# Altium PCB board.PcbDoc (continued)
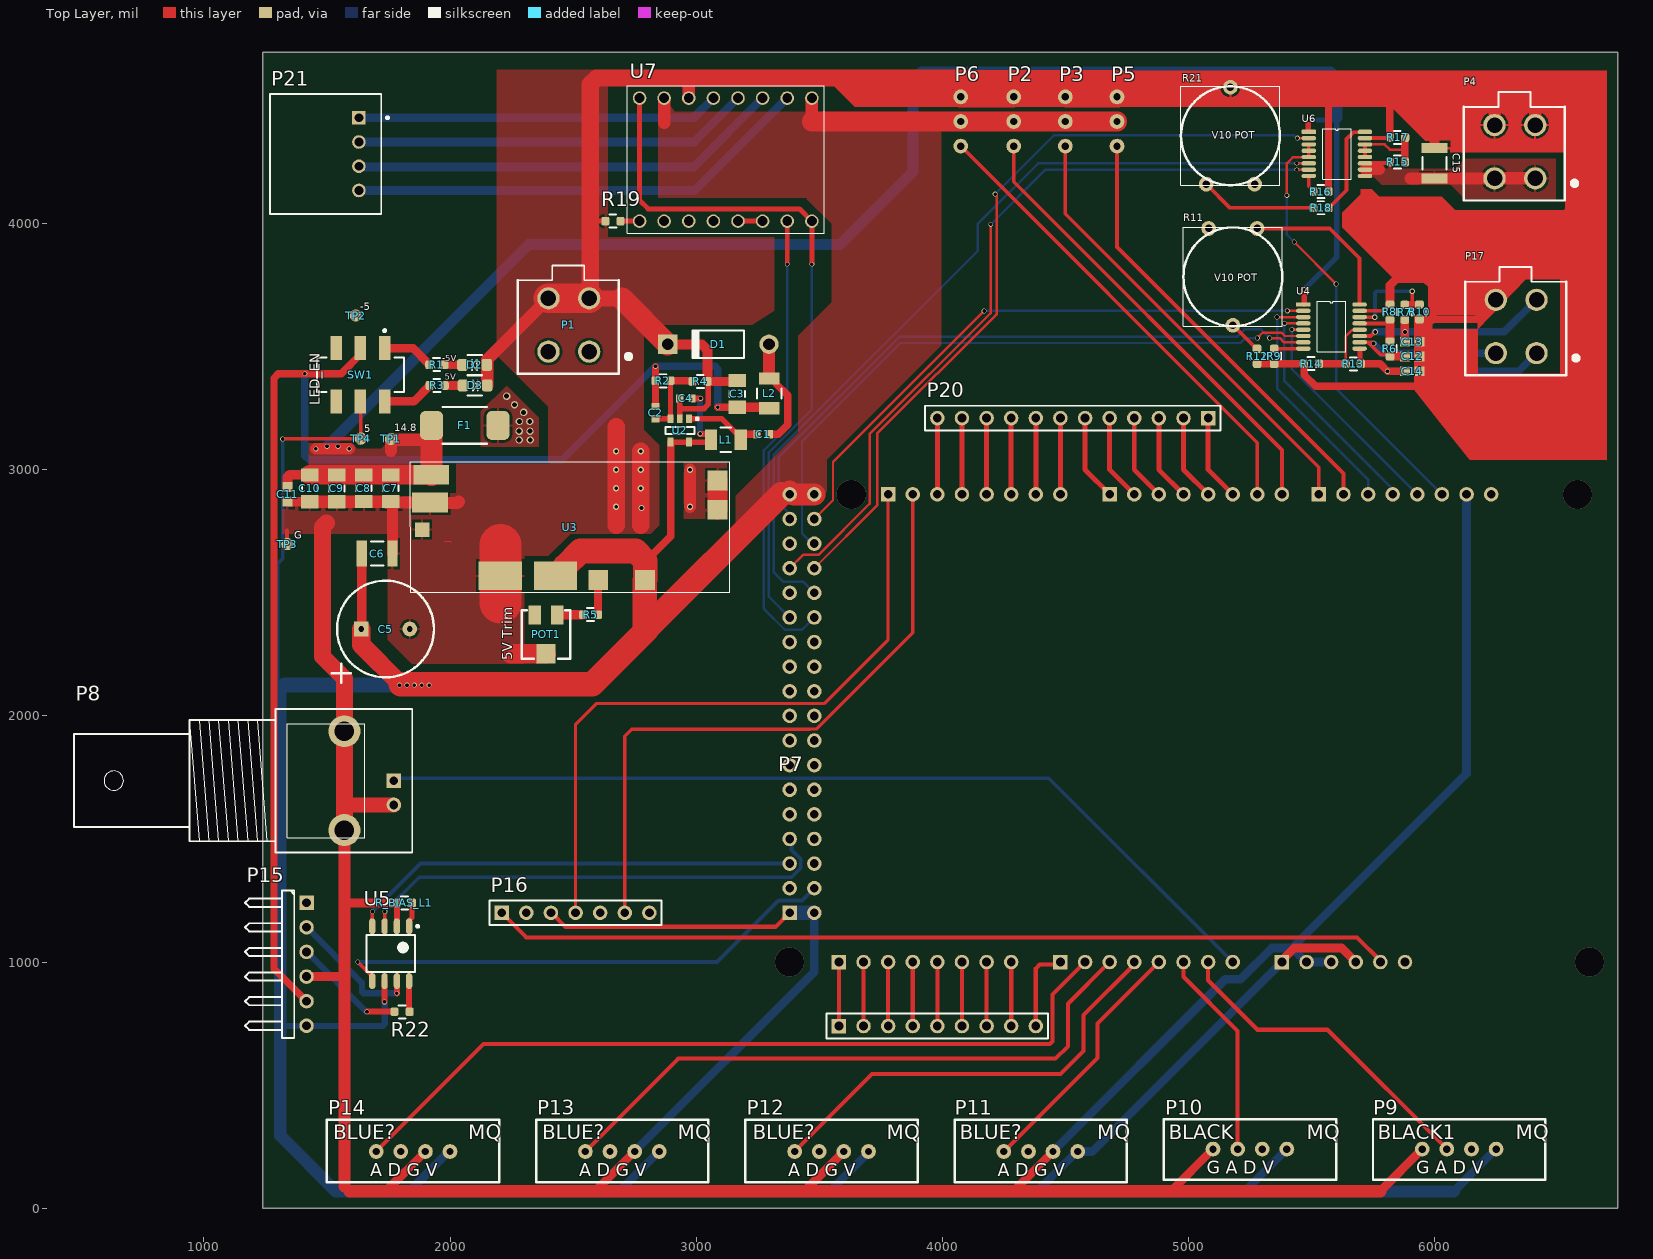
[diagram p0: Top Layer view]
## Part data
C1 C2 C4: library part CMP-2006-02523-1, Manufacturer=Murata, Part Number=GRM188R61E475KE11D
C3 C7 C8 C9 C10: library part GRT31CR61H106ME01L, "CAP CER 10UF 50V X5R 1206", Capacitance=10uF, Case Code (Imperial)=1206, Case Code (Metric)=3216, Manufacturer 1=Murata, Max Operating Temperature=85°C, Min Operating Temperature=-55°C, Ratings=AEC-Q200, Supplier Part Number 1=490-12457-1-ND, Tolerance=20%, Voltage Rating=50V, Case/Package=1206, Category=Capacitor, ComponentLink1Description=http://search.murata.co.jp/Ceramy/image/img/A01X/G101/ENG/GRT31CR61H106ME01-01.pdf?src-supplier=Digi-Key, ComponentLink1URL=http://search.murata.co.jp/Ceramy/image/img/A01X/G101/ENG/GRT31CR61H106ME01-01.pdf?src-supplier=Digi-Key, Length=0.126inch, Manufacturer Part Number 1=GRT31CR61H106ME01L, Mount="Surface Mount", Packaging="Tape and Reel", Pricing 1="1=0,50000, 10=0,34900, 100=0,20920, 500=0,15690, 1000=0,13249 (USD)", RoHS=Yes, Stock 1=8159, Supplier 1=Digi-Key, Thickness=0.071inch, Width=0.063inch
C5: library part 35ZLH330MEFCT810X12.5, "CAP ALUM 330UF 20% 35V RADIAL", Case/Package=Radial, Manufacturer 1=Rubycon, Max Operating Temperature=105°C, Min Operating Temperature=-40°C, Package Quantity=1000, Ripple Current=731.5mA, Supplier Part Number 1=1189-3752-1-ND, Tolerance=20%, Voltage Rating=35V, Capacitance=330uF, ComponentLink1Description=http://www.rubycon.co.jp/en/catalog/e_pdfs/aluminum/e_ZLH.pdf?src-supplier=Digi-Key, ComponentLink1URL=http://www.rubycon.co.jp/en/catalog/e_pdfs/aluminum/e_ZLH.pdf?src-supplier=Digi-Key, ComponentLink2Description=http://www.rubycon.co.jp/en/catalog/e_pdfs/aluminum/Radial_Lead_Alumi_Eng.pdf?src-supplier=Digi-Key, ComponentLink2URL=http://www.rubycon.co.jp/en/catalog/e_pdfs/aluminum/Radial_Lead_Alumi_Eng.pdf?src-supplier=Digi-Key, Height - Seated (Max)=0.551inch, Impedance=39mR, Lead Pitch=0.197inch, Life (Hours)=10000Hour, Manufacturer Part Number 1=35ZLH330MEFCT810X12.5, Mount="Through Hole", Packaging="Tape and Reel", Pricing 1="1=0,52000, 10=0,36900, 100=0,24280 (USD)", RoHS=Yes, Stock 1=14330, Supplier 1=Digi-Key
C6 C15: library part GRM32ER71E226KE15L, "Cap Ceramic 22uF 25V X7R 10% SMD 1210 125C Embossed T/R", Case Code (Imperial)=1210, Case Code (Metric)=3225, Dielectric=X7R, Manufacturer 1=Murata, Max Operating Temperature=125°C, Min Operating Temperature=-55°C, Package Quantity=1, Supplier Part Number 1=490-5313-6-ND, Tolerance=10%, Voltage=25V, Capacitance=22uF, Case/Package=1210, Category=Capacitor, ComponentLink1Description=https://datasheet.ciiva.com/6072/1697714-6072768.pdf?src-supplier=Farnell, ComponentLink1URL=https://datasheet.ciiva.com/6072/1697714-6072768.pdf?src-supplier=Farnell, ComponentLink2Description=https://datasheet.ciiva.com/16497/product-16497009.pdf?src-supplier=Future+Electronics, ComponentLink2URL=https://datasheet.ciiva.com/16497/product-16497009.pdf?src-supplier=Future+Electronics, ComponentLink3Description=https://datasheet.ciiva.com/3776/2741grm32er71e226ke1523-3776996.pdf?src-supplier=Arrow, ComponentLink3URL=https://datasheet.ciiva.com/3776/2741grm32er71e226ke1523-3776996.pdf?src-supplier=Arrow, ComponentLink4Description=https://datasheet.ciiva.com/11789/0900766b80ef921d-11789129.pdf?src-supplier=RSComponents, ComponentLink4URL=https://datasheet.ciiva.com/11789/0900766b80ef921d-11789129.pdf?src-supplier=RSComponents, ComponentLink5Description=https://datasheet.ciiva.com/29201/451826-da-01-de-vs-kondens-grm32-er71e-226ke15l-29201795.pdf?src-supplier=Conrad, ComponentLink5URL=https://datasheet.ciiva.com/29201/451826-da-01-de-vs-kondens-grm32-er71e-226ke15l-29201795.pdf?src-supplier=Conrad, ComponentLink6Description=https://datasheet.ciiva.com/175/partnumbering-e-01-175746.pdf?src-supplier=Digi-Key, ComponentLink6URL=https://datasheet.ciiva.com/175/partnumbering-e-01-175746.pdf?src-supplier=Digi-Key, ComponentLink7Description=https://datasheet.ciiva.com/175/partnumbering-e-01-175747.pdf?src-supplier=Digi-Key, ComponentLink7URL=https://datasheet.ciiva.com/175/partnumbering-e-01-175747.pdf?src-supplier=Digi-Key, ComponentLink8Description=https://datasheet.ciiva.com/175/partnumbering-e-01-175748.pdf?src-supplier=Digi-Key, ComponentLink8URL=https://datasheet.ciiva.com/175/partnumbering-e-01-175748.pdf?src-supplier=Digi-Key, ComponentLink9Description=https://datasheet.ciiva.com/22703/1697714-22703397.pdf?src-supplier=Element14, ComponentLink9URL=https://datasheet.ciiva.com/22703/1697714-22703397.pdf?src-supplier=Element14, Depth=2.5mm, Height=2.5mm, Lead Free="Lead Free", Length=3.2mm, Manufacturer Part Number 1=GRM32ER71E226KE15L, Material=Ceramic, Mount="Surface Mount", Number of Pins=2, Packaging="Tape and Reel", Pricing 1="1=1,78000, 10=1,40600, 100=1,05410, 500=0,79646 (USD)", Radiation Hardening=No, REACH SVHC="No SVHC", RoHS=Yes, Stock 1=52660, Supplier 1=Digi-Key, Termination=SMD/SMT, Thickness=0.106inch, Voltage Rating=25V, Voltage Rating (DC)=25V, Width=0.098inch
C11 C12 C13 C14: library part C0603C103KARACAUTO, "Cap Ceramic 0.01uF 250V X7R 10% Pad SMD 0603 125C Automotive T/R", Capacitance=10nF, Case Code (Imperial)=0603, Case Code (Metric)=1608, Manufacturer 1=KEMET, Max Operating Temperature=125°C, Min Operating Temperature=-55°C, Ratings=AEC-Q200, Supplier Part Number 1=399-17960-1-ND, Tolerance=10%, Voltage Rating=250V, Case/Package=0603, Category=Capacitor, ComponentLink1Description=https://api.kemet.com/component-edge/download/datasheet/C0603C103KARACAUTO.pdf?src-supplier=Digi-Key, ComponentLink1URL=https://api.kemet.com/component-edge/download/datasheet/C0603C103KARACAUTO.pdf?src-supplier=Digi-Key, Manufacturer Part Number 1=C0603C103KARACAUTO, Mount="Surface Mount", Packaging="Tape and Reel", Pricing 1="1=0,90000, 10=0,68500, 100=0,49040, 500=0,37964, 1000=0,32691 (USD)", RoHS=No, Stock 1=8483, Supplier 1=Digi-Key
D1: "1 Amp General Purpose Rectifier", Code_JEDEC=DO-204-AL, ComponentLink1Description="Manufacturer Link", ComponentLink1URL=http://www.fairchildsemi.com/, ComponentLink2Description=Datasheet, ComponentLink2URL=http://www.fairchildsemi.com/ds/1N%2F1N4001.pdf, DatasheetVersion=1998, LatestRevisionDate=17-Jul-2002, LatestRevisionNote="Re-released for DXP Platform.", PackageDescription="Diode, Axial; Body 5.2 x 2.7 mm (LxDia. max), Lead Dia. 0.86 mm (max)", PackageReference=DO-41, PackageVersion=Aug-1999, Published=8-Jun-2000, Publisher="Altium Limited"
D2 D3: library part "Blue LED"
F1: library part "Fuse 2", "Fuse", LatestRevisionDate=17-Jul-2002, LatestRevisionNote="Re-released for DXP Platform.", PackageDescription="Thru-Hole; 2 Leads", PackageReference=PIN-W2/E2.8, Published=8-Jun-2000, Publisher="Altium Limited"
L1 L2: library part CMP-1747-00008-1, "Chip Inductor / , 10 uH, +/- 10%, -40 to 125 degC, 1210 (3225 Metric), RoHS, Tape and Reel", Colour=White, Current Rating="1.5 A", Max Operating Temperature="85 degC", Min Operating Temperature="-55 degC", Package Quantity=100, ComponentLink1Description="Manufacturer URL", ComponentLink1URL=http://www.bourns.com/, ComponentLink2Description=Datasheet, ComponentLink2URL=http://www.bourns.com/docs/Product-Datasheets/cm322522.pdf, Connector Type=USB, Contact Material=Bronze, Contact Plating=Gold, DatasheetVersion=Aug-14, Gender=Female, Height="15.9 mm", Lead Pitch="2.5 mm", Mount="Through Hole", PackageDescription="2-Pin Surface Mount Device, Body 3.2 x 2.5 mm", PackageReference=1210, Packaging=Tray, Pins=4, Radiation Hardening=No, RoHSCompliant=true, Width="11.15 mm"
P1 P4 P17: library part "Molex 0039281043", "Mini-Fit Jr. Header, Dual Row, Right-Angle, with Snap-in Plastic Peg PCB Lock, 6 Circuits, PA Polyamide Nylon 6/6 94V-2, 0.76µm Select Gold (Au) Plating"
P2 P3 P5 P6: library part Header3
P7: "Header, 9-Pin", LatestRevisionDate=17-Jul-2002, LatestRevisionNote="Re-released for DXP Platform.", Publisher="Altium Limited"
P8: library part BNC, "BNC Elbow Connector", LatestRevisionDate=17-Jul-2002, LatestRevisionNote="Re-released for DXP Platform.", Publisher="Altium Limited"
P15: library part "Header 6H", "Header, 6-Pin, Right Angle", LatestRevisionDate=17-Jul-2002, LatestRevisionNote="Re-released for DXP Platform.", Publisher="Altium Limited"
P16: library part "Header 7", "Header, 7-Pin", LatestRevisionDate=17-Jul-2002, LatestRevisionNote="Re-released for DXP Platform.", Publisher="Altium Limited"
P20: "Header, 12-Pin", LatestRevisionDate=17-Jul-2002, LatestRevisionNote="Re-released for DXP Platform.", Publisher="Altium Limited"
P21: library part CMP-1755-00007-1, "Male Header, Pitch 2.5 mm, 1 x 4 Position, Height 6.1 mm, Tail Length 3.4 mm, -25 to 85 degC, RoHS, Bulk", ComponentLink1Description="Manufacturer URL", ComponentLink1URL=http://www.jst.com/home2.html, ComponentLink2Description=Datasheet, ComponentLink2URL=http://www.jst-mfg.com/product/pdf/eng/eXH.pdf, DatasheetVersion=May-16, PackageDescription="Male Header, Pitch 2.5 mm, 1 x 4 Position, Height 6.1 mm, Tail Length 3.4 mm", PackageReference=S4B-XH-A(LF)(SN)
POT1: library part "RPot SM", "Square Trimming Potentiometer", ComponentLink1Description="Manufacturer Link", ComponentLink1URL=http://bourns.com/2/search.html, DatasheetVersion=Oct-2003, PackageDescription="Square Trimming Potentiometer", PackageReference=POT4MM-2, Published=17-Dec-2003, Publisher="Altium Limited"
R1 R2 R3 R4 R5 R6 R7 R8 R9 R10 R13 R14 R15 R16 R17 R19: "Resistor", Published=8-Jun-2000, Publisher="Altium Limited"
  R1 R3: LatestRevisionDate=29-May-2009, LatestRevisionNote="IPC-7351 Footprint Added.", PackageDescription="Chip Resistor", PackageReference=J1-0603
  R2 R4 R5 R6 R7 R8 R9 R10 R13 R14 R15 R16 R17 R19: LatestRevisionDate=17-Jul-2002, LatestRevisionNote="Re-released for DXP Platform.", PackageDescription="Axial Device, Thru-Hole; 2 Leads; 0.3 in Pin Spacing", PackageReference=AXIAL-0.3
R11 R21: library part "RPot SM", "Square Trimming Potentiometer (100 ohm)", ComponentLink1Description="Manufacturer Link", ComponentLink1URL=http://bourns.com/2/search.html, DatasheetVersion=Oct-2003, PackageDescription="Square Trimming Potentiometer", PackageReference=POT4MM-2, Published=17-Dec-2003, Publisher="Altium Limited"
R12 R18 R_BIAS_L1: library part Res1, "Resistor", LatestRevisionDate=17-Jul-2002, LatestRevisionNote="Re-released for DXP Platform.", PackageDescription="Axial Device, Thru-Hole; 2 Leads; 0.3 in Pin Spacing", PackageReference=AXIAL-0.3, Published=8-Jun-2000, Publisher="Altium Limited"
R22: library part RC1206FR-07200RL, "RES SMD 200 OHM 1% 1/4W 1206", Case Code (Imperial)=1206, Case Code (Metric)=3216, Manufacturer 1=Yageo, Max Operating Temperature=155°C, Min Operating Temperature=-55°C, Power Rating=250mW, Supplier Part Number 1=311-200FRCT-ND, Temperature Coefficient=100ppm/°C, Tolerance=1%, Voltage Rating=200V, Case/Package=1206, Category=Resistor, ComponentLink1Description=https://datasheet.ciiva.com/11808/0900766b80c6630a-11808603.pdf?src-supplier=RSComponents, ComponentLink1URL=https://datasheet.ciiva.com/11808/0900766b80c6630a-11808603.pdf?src-supplier=RSComponents, Composition="Thick Film", Depth=1.6mm, Height=0.55mm, Lead Free="Lead Free", Length=3.1mm, Manufacturer Part Number 1=RC1206FR-07200RL, Military Standard=Not, Mount="Surface Mount", Packaging="Tape and Reel", Pricing 1="1=0,10000, 10=0,07100, 100=0,02910, 1000=0,01306, 2500=0,01134 (USD)", Resistance=200R, RoHS=Yes, Stock 1=3032350, Supplier 1=Digi-Key, Termination=SMD/SMT, Voltage Rating (DC)=200V, Weight=0.000571oz, Width=1.6mm
SW1: library part CMP-2000-05087-1, "Switch Slide DPDT, 0.3 A, 6 V, -40 to 85 degC, 6-Pin SMD, RoHS, Tape and Reel", Actuator Color=Black, Contact Rating @ Voltage=0.3@6VDCA, Dielectric Strength=500VAC, Manufacturer="C&K Components", Maximum AC Voltage Rating=N/A, Maximum Contact Resistance=70mOhm, Maximum DC Voltage Rating=6V, Minimum Insulation Resistance=100MOhm, Operating Temperature=-40to85C, Actuator Material=Nylon4/6, Actuator Style=TopSlide, Base Material=N/A, Body Orientation=Straight, Contact Material=CopperAlloy, Contact Plating=Silver, COO=US, Datasheet URL=http://datasheet.octopart.com/JS202011SCQN-C%26K-Components-datasheet-62100994.pdf, Datasheet Version=Sep-15, Dimension=9x7.5x5.5mm, ECCN=EAR99, Electrical Life=15000Cycles, Family=JS, Housing Material=Nylon4/6, HTS=8536509050, Manufacturer URL=http://www.ckswitches.com, Mechanical Life=N/A, Mounting=SurfaceMount,GullWing, Packaging=TapeandReel, Part No=JS202011SCQN, Pole Throw Configuration=DPDT, Product Weight=N/A, RoHS=Yes, Seal Description=N/A, Seal Location=N/A, Supplier=C&KComponents, Supplier Standard Pack=5,000, Switch Configuration=N/A, Type=Sub-Miniature
TP1 TP2 TP3 TP4: library part TestPt
U2: library part CMP-0491-01503-1, "Micropower Inverting DC/DC Converter, 5-pin SOT23 (S5-5), -40 to 85 degC, Pb-Free, Mini Tape and Reel", Manufacturer="Linear Technology", PartNumber=LT1617ES5#TRMPBF, ComponentLink1Description="Manufacturer URL", ComponentLink1URL=http://www.linear.com/, ComponentLink2Description=Datasheet, ComponentLink2URL=http://cds.linear.com/docs/en/datasheet/16171f.pdf, ComponentLink3Description="Package Specification", ComponentLink3URL=http://cds.linear.com/docs/en/datasheet/17278fb.pdf, Mounting Technology="Surface Mount", Number of Outputs=1, PackageDescription="5-Pin Plastic SOT-23, Body 1.625 x 2.90 mm, Pitch 0.95 mm", PackageReference=S5-5, PackageVersion=Aug-07, Packing="Mini Tape and Reel", RoHS=TRUE
U3: "DC DC CONVERTER 3-18V 12A", Case/Package=Module, Current - Output 1=12A, Manufacturer 1=GE, Manufacturer Part Number 1=APXW012A0X3-SRZ, Max Input Voltage=36V, Max Operating Temperature=85°C, Min Input Voltage=9V, Min Operating Temperature=-40°C, Output Voltage=18V, Package Quantity=140, Supplier Part Number 1=150028492, Category="Buck Converter", ComponentLink1Description=http://apps.geindustrial.com/publibrary/checkout/DS-APXW012?TNR=Data%20Sheets&src-supplier=Avnet, ComponentLink1URL=http://apps.geindustrial.com/publibrary/checkout/DS-APXW012?TNR=Data%20Sheets&src-supplier=Avnet, ComponentLink2Description=http://apps.geindustrial.com/publibrary/checkout/DS-APXW012?TNR=Data%20Sheets|DS-APXW012|generic&src-supplier=Digi-Key, ComponentLink2URL=http://apps.geindustrial.com/publibrary/checkout/DS-APXW012?TNR=Data%20Sheets|DS-APXW012|generic&src-supplier=Digi-Key, ComponentLink3Description=http://apps.geindustrial.com/publibrary/checkout/DS-APXW012?TNR=Data%20Sheets%7CDS-APXW012%7Cgeneric&src-supplier=Mouser, ComponentLink3URL=http://apps.geindustrial.com/publibrary/checkout/DS-APXW012?TNR=Data%20Sheets%7CDS-APXW012%7Cgeneric&src-supplier=Mouser, Efficiency=95.5%, Features=OCP,OTP, Height=0.39inch, Length=1.3inch, Max Output Current=12A, Mount="Surface Mount", Number of Outputs=1, Number of Pins=9, Output Current=12A, Packaging="Tape and Reel", RoHS=Yes, Stock 1=0, Supplier 1=Avnet, Voltage - Output 1=18V, Width=0.53inch
U4 U6: library part TPS92630QPWPRQ1
U5: library part Component_1
U7: library part "stepper driver Pololu a4988"

## Via types
v1: diameter 20, hole 15, Top Layer to Bottom Layer, 38 vias
v2: diameter 25, hole 15, Top Layer to Bottom Layer, 10 vias
v3: diameter 30, hole 20, Top Layer to Bottom Layer, 9 vias
v4: diameter 22, hole 15, Top Layer to Bottom Layer, 6 vias
v5: diameter 118.11, hole 118.11, Top Layer to Bottom Layer, 4 vias
v6: diameter 17, hole 15, Top Layer to Bottom Layer, 2 vias

## Nets (pads, with @x,y where several pads share a name; then routed paths per layer and width w, separated by ;. In a path a pad name is that pad's centre, name@x,y a point inside that pad or via, vN(x,y) a via of type N, cw(c..) or ccw(c..) an arc to the next point about the centre after c; other vN are vias at no path point)
3V3_REG: P16.1 U1.55 | length 3657.5
  Top Layer w17: P16.1@2208.76,1201.24 2310,1100 5685,1100 5780,1005 U1.55
5V0_REG: C4.2 C5.1 C6.2 L1.1 P2.2 P3.2 P5.2 P6.2 P9.4 P10.4 P11.4 P12.4 P13.4 P14.4 P15.6 SW1.5 TP4.1 U1.56 U1.59 U1.80 U1.81 U2.4 U2.5 U3.3 U3.5 U5.6 U7.9 U7.15 | length 18010.3
  Top Layer w15: v1(1320,3125) 1320.81,3125.81 1636.28,3125.81 TP4.1 1637.09,3260.65 SW1.5@1636,3261.73 ; C5.1 C5.1@1641.65,2350.92 ; U3.3 U3.3@2793,2553 ; L1.1@3043.07,3112.6 3052.09,3121.61 3052.09,3137.77 L1.1@3043.85,3146 ; 4741.52,4414 4742.98,4415.46
  Top Layer w22: U2.4 U2.5 L1.1@3043.07,3112.6
  Top Layer w25: v1(1734,838) U5.6 ; C4.2 v1(3018,3290) ; v1(3016,3146) L1.1@3043.85,3146 ; U1.59 U1.59@5380,1011.9
  Top Layer w30: 2793,2627 2896.26,2730.26 U2.4
  Top Layer w35: U1.59@5380,1011.9 5391.9,1011.9 5392.03,1012.03 5392.03,1019.5 5429.56,1057.03 5622.97,1057.03 U1.56
  Top Layer w40: C5.1@1641.65,2350.92 C6.2
  Top Layer w50: 2870,4408.7 U7.9 ; 3470,4415 U7.15
  Top Layer w75: C5.1 1639.57,2289.43 v1@1801,2128
  Top Layer w80: 2793,2627 2793,2631.03 ; U1.80@3380,2916.52 U1.80@3396.52,2900 ; 3470,4415 4074,4415 4192,4415 P2.2 4501.98,4415 4679,4415 P5.2@4710.52,4415
  Top Layer w90: U1.80@3396.52,2900 U1.81
  Top Layer w100: v1@1855,2128 1801,2128 1915,2128 2578,2128 2791.89,2341.89 ; U3.5 2459.41,2569.21 2466.89,2576.69 2466.89,2606.81 2530.08,2670 2754.03,2670 2793,2631.03 ; U3.3 2791.89,2341.89 ; U3.3@2793,2553 2793,2627 ; 2800,2350 2791.89,2341.89 ; 2800,2355 3345,2900
  Bottom Layer w15: 1310,2106.21 1300,2116.21 1300,2619.32 1320,2639.32 v1(1320,3125) ; P15.6@1416,740 P15.6 P15.6@1418,740 ; 2062,65 2065,68 ; P13.4@2849.5,230 P13.4 ; v1@3016,3288 v1(3018,3290) ; P12.4@3700,226 P12.4 ; P11.4@4547,230 P11.4
  Bottom Layer w25: 1310,740 P15.6@1416,740 ; P15.6@1418,740 1726,740 1735,749 1735,837 v1(1734,838) ; v1(3016,3146) v1@3016,3288
  Bottom Layer w35: 1840,75 P14.4@2000,235 ; 2687.5,68 P13.4@2849.5,230 ; 3542,68 P12.4@3700,226 ; 4385,68 P11.4@4547,230 ; P11.4 4610,230 U1.59 ; 5228,68 P10.4 ; 6078,68 P9.4
  Bottom Layer w50: 1328.79,2125 1310,2106.21 1310,740 1310,295 1537,68 2065,68 2687.5,68 3542,68 4385,68 5228,68 6078,68 ; v1(1795,2125) v1(1825,2125) v1(1855,2125) ; P14.4 P14.4@2000,235
  Bottom Layer w60: 1328.79,2125 v1(1795,2125) ; v1(1855,2125) v1(1885,2125) v1(1915,2125)
14V8_IN: F1.2 P1.1 P1.2
  other v3: 2281,3121 2326,3121 2281,3157 2325,3157 2282,3196 2324,3196 2299,3233 2262,3264 2230,3299
14V8_RAW: C7.2 C8.2 C9.2 C10.2 C11.2 F1.1 TP1.1 U3.7 U4.1 U6.1 | length 7358.3
  Top Layer w15: C10.2@1428.27,2980 C10.2 C10.2@1430.87,2979.13 ; 1747,3064 1760,3077 ; TP1.1 TP1.1@1763,3122 ; U3.7@1923.86,2979.13 U3.7 ; F1.1@1924.96,3122 F1.1 ; U4.1@5466.23,3672.13 5469.41,3672.13 U4.1@5470,3672.72 ; U6.1@5487,4374.23 5487.59,4373.64 U6.1@5488.21,4373.64
  Top Layer w22: U4.1@5470,3672.72 v1(5470,3732) ; U6.1@5487,4374.23 v1(5487,4421)
  Top Layer w40: C11.2 1340,2971.21 1348.79,2980 C10.2@1428.27,2980
  Top Layer w47: v1(1455,3085) v1(1590,3085)
  Top Layer w50: 1760,3077 TP1.1 ; TP1.1@1763,3122 F1.1@1924.96,3122
  Top Layer w80: C10.2@1430.87,2979.13 C8.2 C7.2 U3.7@1923.86,2979.13
  Top Layer w90: U3.7 1925,2980.27 F1.1 F1.1
  Bottom Layer w22: v1(5470,3732) 5603,3865 5603,4431.05 ; v1(5487,4421) 5602,4421
  Bottom Layer w44: v1(1500,3095) 2320,3915 3585,3915 3881,4211 3881,4581.92 3915.29,4616.21 5577.23,4616.21 5603,4590.44 5603,4431.05
  other v1: 1545,3095
GND: C3.1 C4.1 C5.2 C6.1 C7.1 C8.1 C9.1 C10.1 C11.1 C12.1 C13.1 C14.1 C15.1 D1.2 D2.1 D3.2 P1.3 P1.4 P2.1 P3.1 P4.3 P4.4 P5.1 P6.1 P8.2 P9.1 P10.1 P11.3 P12.3 P13.3 P14.3 P15.4 P16.3 P17.4 POT1.W R4.1 R8.1 R9.2 R10.1 R12.2 R14.1 R16.2 R17.1 R19.1 R21.W R_BIAS_L1.2 TP3.1 U1.57 U1.58 U1.76 U1.78 U1.79 U2.2 U3.1 U3.2 U3.6 U4.15 U5.2 U6.15 U7.10 | length 27635.6
  Top Layer w15: 1338,2754 1338,2699 TP3.1 ; 2198,2433.26 2198,2443 ; 2246,2252 2246.26,2252.26 ; U4.15 5791.76,3645.77 5817.52,3671.54 R8.1
  Top Layer w17: P16.3 2411.95,1200 2468.98,1142.97 3322.97,1142.97 U1.79 ; U6.15 R17.1@5814.72,4347.28
  Top Layer w20: 2570,4008 2572,4010 R19.1 ; 2570,4355 2577.49,4347.51
  Top Layer w22: C4.1 2934,3289.39 2934,3248.41 ; U2.2 2934,3207.42 2934,3248.41 ; R4.1 3049,3356.51 3049,3265.3 3032.11,3248.41 2934,3248.41
  Top Layer w25: U5.2 R_BIAS_L1.2@1783.99,1240
  Top Layer w30: R12.2 R9.2 R14.1@5468.51,3430.51 ; R14.1 5470.73,3429.27 5470.73,3385.27 5517,3339 5927,3339 5929,3341 ; R16.2 5568.98,4487.98 ; R17.1@5817.95,4350.51 5817.95,4497.05 ; R10.1 5990,3610.51 6168.98,3610.51 P17.4
  Top Layer w35: P15.4 1571,941 ; 1571,89.5 1591.5,69 ; 1575,1240 R_BIAS_L1.2@1783.99,1240 ; 1739,69 P14.3 ; 2589,69 P13.3 ; R4.1 3047.06,3359 3047.33,3358.73 3163.6,3358.73 C3.1 ; 3439,69 P12.3 ; 4289,69 P11.3 ; 4929,69 P10.1 ; 5779,69 P9.1 ; R8.1 5818.98,3749.98 5845,3776 5964.5,3776 5990,3750.5 5990,3610.51
  Top Layer w40: C11.1 1340.24,2870.24 1429.76,2870.24 C10.1 ; D1.2 2885.09,3509 3023.32,3509 3046.76,3485.57 3046.76,3365.13 R4.1@3046.51,3364.88 ; C15.1 6000,4410
  Top Layer w45: C7.1@1753.66,2865.24 1761.6,2865.24 1765.67,2861.16 C6.1
  Top Layer w50: C10.1 C9.1 C7.1@1753.66,2870 ; 1571,89.5 1571,941 P8.2@1571,1536 ; 1591.5,69 1739,69 2589,69 3439,69 4289,69 4929,69 5779,69 ; C7.1@1744.8,2865.24 C7.1@1753.66,2865.24 ; C7.1 1768.86,2870.87 1772.87,2866.85 1918.66,2866.85 1920.51,2865 2030,2865 2035,2870 ; D3.2 2151.02,3426 2151.02,3447.56 P1.4 ; U7.10@2968.09,4508.09 U7.10 2970,4592 ; v2(2975,2850) v2(2975,3000) ; 3996,4513 P6.1@4074,4513 ; 4073,4592 4073,4518 P6.1@4074,4517 ; 4288,4592 4288.09,4591.91 4288.09,4518.91 4290,4517 4292.71,4517 P2.1@4296.5,4513.21 ; P3.1@4489.68,4511.75 4491.02,4513.09 4498.09,4513.09 P3.1 ; P3.1@4501.98,4516.46 4503.89,4518.37 4503.89,4588.89 4507,4592 ; 4702,4592 4711.98,4582.02 4711.98,4516.46 P5.1@4713.43,4515 ; 5815,4500 5817.95,4497.05 ; 6000,4455 6005,4450 6005,4415 ; 6130,3214 6136,3220 ; P4.4 6245,4401.89 6245,4485 ; P4.3 6409,4592
  Top Layer w60: 1577.64,1638.36 P8.2@1771.79,1638.36 ; 4702,4592 6409,4592
  Top Layer w65: P1.3@2570,3701.18 P1.3 2565.89,3696 2698.09,3696 ; 4073,4592 4288,4592 4507,4592 4702,4592
  Top Layer w70: 1498,2784 1482,2768 1482,2241 1571,2152 1571,1937.58 P8.2@1571,1536 ; P1.3@2570,3701.18 2570,4008 2570,4355 2570,4565.64 2596.36,4592 2970,4592 4073,4592 ; 2675,2775 v2(2675,2850) v2(2675,2925) v2(2675,3000) v2(2675,3075) 2675,3175 ; 2775,2775 v2(2775,2925) v2(2775,3000) v2(2775,3075)
  Top Layer w80: 2246.26,2252.26 POT1.W ; U3.2@3086.77,2836.93 U3.1 ; P2.1@4296.5,4513.21 P3.1@4491.66,4513.21
  Top Layer w85: P6.1@4073,4515 4192,4515 P2.1@4288.09,4515 ; P3.1@4503.89,4515 4679,4515 P5.1@4713.43,4515
  Top Layer w90: 2698.09,3696 D1.2
  Top Layer w100: U3.2@2205,2568.31 2204.09,2569.21 U3.2@2205,2570.12
  Top Layer w120: P1.4 P1.3
  Top Layer w170: 2205,2460 U3.2@2205,2568.31 ; U3.2@2205,2570.12 2205,2695
  Bottom Layer w35: P13.3 3480,960 U1.78 ; P11.3 5150,930 5212.05,930 5339.08,1057.03 5421.02,1057.03 ; U1.57 U1.58 5478.05,1000 5421.02,1057.03 ; U1.76 6130,1766 5421.02,1057.03
  Bottom Layer w60: U1.79 U1.78
  other v2: 2778,2845
N5V0_REG: C2.2 C3.2 L2.2 P15.5 R2.2 SW1.2 TP2.1 | length 5709.2
  Top Layer w15: SW1.2@1636,3468.68 SW1.2 ; C2.2@2834.74,3256.86 C2.2 ; R2.2@2834.74,3361.74 R2.2 R2.2@2834.74,3362.26 ; v1@2834.74,3419.74 v1(2835,3420) ; L2.2@3293.09,3253.87 L2.2
  Top Layer w30: P15.5@1415,843 1285,973 1285,3372.43 1302.57,3390 v1(1410,3390) 1557.32,3390 SW1.2@1636,3468.68 ; C2.2@2834.74,3256.86 R2.2@2834.74,3361.74 ; R2.2@2834.74,3362.26 v1@2834.74,3419.74 ; v1(3087.87,3253.87) C3.2
  Top Layer w40: C3.2 L2.2@3293.09,3253.87
  Bottom Layer w30: v1(1410,3390) 1410,3057.57 1427.57,3040 2455,3040 v1(2835,3420) 3077.21,3420 3087.87,3409.35 v1(3087.87,3253.87)
NetC1_1: C1.1 L1.2 U2.1 | length 329.2
  Top Layer w15: L1.2@3172.17,3121.61 L1.2@3172.17,3126.89 ; L1.2@3172.17,3139.33 L1.2@3172.17,3126.89 ; L1.2@3189.27,3144 L1.2@3172.17,3126.89
  Top Layer w22: U2.1 3104.41,3207.09 L1.2@3172.17,3139.33
  Top Layer w30: L1.2@3189.27,3144 C1.1
NetC1_2: C1.2 D1.1 L2.1 | length 455.9
  Top Layer w30: C1.2 3333,3144 3372,3183 3372,3302.14 3324.32,3349.82 3324.32,3360.43 3314.72,3370.04 L2.1
  Top Layer w50: L2.1@3295.91,3374.13 D1.1
NetC2_1: C2.1 R2.1 R4.2 U2.3 | length 290.4
  Top Layer w15: C2.1 C2.1@2835.15,3207.24 ; R2.1 R2.1@2895.89,3361.63 ; U2.3@2895.89,3207.46 2896.11,3207.24 U2.3
  Top Layer w22: C2.1@2835.15,3207.24 U2.3@2896.11,3207.24 ; U2.3@2895.89,3207.46 R2.1@2895.89,3361.63
  Top Layer w30: R2.1 R4.2@2969.49,3362
NetC12_2: C12.2 P17.2 R6.2 U4.10 | length 745
  Top Layer w10: U4.10 U4.10@5695.6,3517.56
  Top Layer w15: U4.10@5695.6,3517.56 5730.36,3517.56 ; 5732.51,3515.91 5732.01,3515.91 5730.36,3517.56 ; R6.2 5811.05,3468.44 5779.48,3468.44 5730.36,3517.56
  Top Layer w20: 5732.51,3515.91 5749.24,3515.91 v4(5752.15,3513)
  Top Layer w35: R6.2 C12.2
  Bottom Layer w15: P17.2@6239.18,3473.98 P17.2
  Bottom Layer w30: v4(5752.15,3513) 5791.18,3473.98 P17.2@6239.18,3473.98
NetC13_2: C13.2 P17.3 R7.2 U4.11 | length 859.4
  Top Layer w15: U4.11 5740.52,3543.41 5750.11,3553 v4@5752,3553 ; R7.2 R7.2@5879.45,3609.02 ; C13.2@5879.45,3520.98 C13.2
  Top Layer w35: C13.2@5879.45,3520.98 R7.2@5879.45,3609.02
  Bottom Layer w30: v4(5759,3560) 6283.82,3560 P17.3
  other v4: 5880,3560
NetC14_2: C14.2 P17.1 R13.1 U4.9 | length 892.5
  Top Layer w15: U4.9 5696.42,3492.23 U4.9@5697.67,3490.98 ; R13.1@5697.67,3432.84 R13.1 ; C14.2@5879.68,3400.76 C14.2
  Top Layer w20: R13.1@5697.67,3432.84 U4.9@5697.67,3490.98
  Top Layer w30: R13.1 5779.05,3430.51 v4(5808.81,3400.76) C14.2@5879.68,3400.76
  Bottom Layer w30: v4(5808.81,3400.76) 6341.11,3400.76 P17.1
NetC15_2: C15.2 P4.1 P4.2 R15.1 U6.9 U6.10 U6.11 | length 725.7
  Top Layer w10: U6.11 U6.11@5718.8,4246.4 ; 5775.33,4219.33 5778,4222 ; R15.1@5814.86,4246.4 R15.1 ; 5901,4184 5902.01,4182.99
  Top Layer w15: U6.9 U6.10 U6.11 ; U6.11@5718.8,4246.4 R15.1@5814.86,4246.4
  Top Layer w40: P4.2@6242.65,4183 P4.2
  Top Layer w45: U6.10 5775.33,4219.33
  Top Layer w50: 5902.01,4182.99 C15.2 P4.2@6242.65,4183 ; P4.2 P4.1
NetD2_2: D2.2 R1.2 | length 73.7
  Top Layer w10: R1.2 R1.2@1977.39,3426.31 ; D2.2@2050.27,3426.31 D2.2
  Top Layer w35: R1.2@1977.39,3426.31 D2.2@2050.27,3426.31
NetD3_1: D3.1 R3.2 | length 74.5
  Top Layer w35: R3.2 D3.1
NetP2_3: P2.3 U1.7 | length 1866.5
  Top Layer w15: P2.3 4290,4170 5380,3080 U1.7
NetP3_3: P3.3 U1.8 | length 1841.6
  Top Layer w15: P3.3 4500,4040 5530,3010 U1.8
NetP5_3: P5.3 U1.9 | length 1796.1
  Top Layer w15: P5.3 4710,3905 5630,2985 U1.9
NetP6_3: P6.3 U1.6 | length 1914.1
  Top Layer w15: P6.3 5280,3110 U1.6
NetP7_1: P7.1 U1.75 | length 260
  Top Layer w17: P7.1 U1.75
NetP7_2: P7.2 U1.74 | length 260
  Top Layer w17: P7.2 U1.74
NetP7_3: P7.3 U1.73 | length 260
  Top Layer w17: P7.3 U1.73
NetP7_4: P7.4 U1.72 | length 260
  Top Layer w17: P7.4 U1.72
NetP7_5: P7.5 U1.71 | length 260
  Top Layer w17: P7.5 U1.71
NetP7_6: P7.6 U1.70 | length 260
  Top Layer w17: P7.6 U1.70
NetP7_7: P7.7 U1.69 | length 260
  Top Layer w17: P7.7 U1.69
NetP7_8: P7.8 U1.68 | length 260
  Top Layer w17: P7.8 U1.68
NetP7_9: P7.9 U1.67 | length 344.9
  Top Layer w17: P7.9 4380,974.14 4395.86,990 4470,990 U1.67
NetP8_1: P8.1 U1.60 | length 3721.9
  Bottom Layer w15: P8.1 1782.03,1747.03 4432.97,1747.03 U1.60
NetP9_2: P9.2 U1.61 | length 1328.2
  Top Layer w17: U1.61 5080,925.86 5085.83,920.03 5280.86,725 5565,725 P9.2
NetP10_2: P10.2 U1.62 | length 851.1
  Top Layer w17: U1.62 4980,940 5200,720 P10.2
NetP11_1: P11.1 U1.63 | length 1031
  Top Layer w17: P11.1 4630,610 4630,750 U1.63
NetP12_1: P12.1 U1.64 | length 1790
  Top Layer w17: P12.1 3715,545 4480.5,545 4574,638.5 4574,784 4780,990 U1.64
NetP13_1: P13.1 U1.65 | length 2550.3
  Top Layer w17: P13.1 2927.5,607.5 4460.5,607.5 4510.5,657.5 4510.5,830.5 U1.65
NetP14_1: P14.1 U1.66 | length 3310.3
  Top Layer w17: P14.1 2136.5,666.5 4436.64,666.5 4447.5,677.36 4447.5,867.5 U1.66
NetP15_2: P15.2 U5.7 | length 549.5
  Top Layer w25: v1(1784,873) U5.7
  Bottom Layer w10: 1642,878.86 1647.86,873
  Bottom Layer w25: P15.2 1642,916 1642,878.86 ; 1647.86,873 v1(1784,873)
NetP15_3: P15.3 R22.2 | length 455.6
  Top Layer w10: v1(1663,798) v1@1663.5,798.5 ; R22.2@1773.99,798.5 R22.2
  Top Layer w25: v1@1663.5,798.5 R22.2@1773.99,798.5
  Bottom Layer w25: P15.3 v1@1660,798
NetP16_4: P16.4 U1.21 | length 2768.4
  Top Layer w13: P16.4 2510,1965.85 2594.15,2050 3422.38,2050 3520,2050 3780,2310 3780,2434.91 U1.21
NetP16_6: P16.6 U1.20 | length 2624.2
  Top Layer w13: P16.6 2710,1917.38 2738.64,1946.03 3463.06,1946.03 3464.29,1947.26 3490.24,1947.26 3880,2337.03 U1.20
NetP20_1: P20.1 U1.5 | length 351.4
  Top Layer w20: P20.1 5080,3000 U1.5
NetP20_2: P20.2 U1.4 | length 351.4
  Top Layer w20: P20.2 4980,3000 U1.4
NetP20_3: P20.3 U1.3 | length 351.4
  Top Layer w20: P20.3 4880,3000 U1.3
NetP20_4: P20.4 U1.2 | length 351.4
  Top Layer w20: P20.4 4780,3000 U1.2
NetP20_5: P20.5 U1.1 | length 351.4
  Top Layer w20: P20.5 4680,3000 U1.1
NetP20_6: P20.6 U1.0 | length 351.4
  Top Layer w20: P20.6 4580,3000 U1.0
NetP20_7: P20.7 U1.14 | length 310
  Top Layer w20: U1.14 P20.7
NetP20_8: P20.8 U1.15 | length 310
  Top Layer w20: U1.15 P20.8
NetP20_9: P20.9 U1.16 | length 310
  Top Layer w20: U1.16 P20.9
NetP20_10: P20.10 U1.17 | length 310
  Top Layer w20: U1.17 P20.10
NetP20_11: P20.11 U1.18 | length 310
  Top Layer w20: U1.18 P20.11
NetP20_12: P20.12 U1.19 | length 310
  Top Layer w20: U1.19 P20.12
NetP21_1: P21.1 U7.11 | length 1473.1
  Bottom Layer w35: P21.1 2990,4430 U7.11
NetP21_2: P21.2 U7.12 | length 1613.9
  Bottom Layer w35: P21.2 2991.58,4331.58 U7.12
NetP21_3: P21.3 U7.13 | length 1761.7
  Top Layer w10: P21.3 P21.3@1633.15,4230
  Bottom Layer w10: P21.3 P21.3@1633.15,4230
  Bottom Layer w35: P21.3@1633.15,4230 2990,4230 U7.13
NetP21_4: P21.4 U7.14 | length 1895.4
  Bottom Layer w35: P21.4 2994.72,4134.72 U7.14
NetPOT1_CW: POT1.CW R5.1 | length 105.7
  Top Layer w10: POT1.CW POT1.CW@2436.54,2411
  Top Layer w40: POT1.CW@2436.54,2411 R5.1
NetR1_1: R1.1 SW1.1 | length 210.2
  Top Layer w10: R1.1 R1.1@1916.06,3427.6
  Top Layer w35: SW1.1 1849.39,3494.27 R1.1@1916.06,3427.6
NetR3_1: R3.1 SW1.4 | length 210.1
  Top Layer w10: R3.1@1917.09,3341.54 R3.1
  Top Layer w35: SW1.4 1853.28,3277.73 R3.1@1917.09,3341.54
NetR5_2: R5.2 U3.4 | length 141
  Top Layer w10: U3.4@2601.51,2551.67 U3.4
  Top Layer w32: R5.2 U3.4@2601.51,2551.67
NetR6_1: R6.1 R8.2 U4.13 | length 219.2
  Top Layer w10: 5800.25,3594.59 5816.17,3610.51 R8.2
  Top Layer w15: U4.13 5800.25,3594.59
  Top Layer w35: R6.1 R8.2
NetR7_1: R7.1 R10.2 U4.14 | length 429.1
  Top Layer w10: U4.14 U4.14@5695.44,3620.09 ; v4@5756.91,3620.09 v4(5757,3620) ; R7.1 R7.1@5879.49,3671.02 ; R10.2@5938.46,3671.02 R10.2
  Top Layer w15: U4.14@5695.44,3620.09 v4@5756.91,3620.09 ; 5908.98,3671.02 v4(5908.98,3725.02)
  Top Layer w30: R7.1@5879.49,3671.02 5908.98,3671.02 R10.2@5938.46,3671.02
  Bottom Layer w10: v4(5757,3620) v4@5758,3621
  Bottom Layer w15: v4@5758,3621 5758,3719.17 5763.86,3725.02 v4(5908.98,3725.02)
NetR9_1: R9.1 U4.8 | length 118.3
  Top Layer w10: R9.1 R9.1@5349.32,3491.88 ; U4.8@5466.65,3491.88 U4.8
  Top Layer w15: R9.1@5349.32,3491.88 U4.8@5466.65,3491.88
NetR11_CCW: R11.CCW U4.16 | length 654.7
  Top Layer w15: R11.CCW 5574.49,3980.51 5695.35,3859.65 U4.16
NetR11_W: R11.W R12.1 | length 137.9
  Top Layer w10: R11.W R11.W@5181.63,3586.81 ; R12.1@5276.91,3491.54 R12.1
  Top Layer w15: R11.W@5181.63,3586.81 R12.1@5276.91,3491.54
NetR13_2: R13.2 R14.2 U4.12 | length 287.9
  Top Layer w10: R14.2 R14.2@5530.27,3430.76 ; R13.2@5638.73,3430.76 R13.2 5638.98,3541.45 5665.05,3567.52 5693.87,3567.52 U4.12
  Top Layer w30: R14.2@5530.27,3430.76 R13.2@5638.73,3430.76
NetR15_2: R15.2 R17.2 U6.12 U6.13 U6.14 | length 322.5
  Top Layer w10: U6.14 5797.03,4321.69 5818.21,4300.51 5879.49,4300.51 ; R17.2@5878.98,4350.51 R17.2@5879.49,4350 ; R15.2@5879.49,4251.02 R15.2
  Top Layer w15: U6.12 U6.13 U6.14
  Top Layer w30: R15.2@5879.49,4251.02 5879.49,4300.51 R17.2@5879.49,4350
NetR16_1: R16.1 U6.8 | length 71.1
  Top Layer w10: R16.1 R16.1@5507.95,4133.32
  Top Layer w15: U6.8 5488.98,4152.29 R16.1@5507.95,4133.32
NetR18_1: R18.1 R21.CCW | length 476.3
  Top Layer w15: R21.CCW 5168.64,4064 R18.1
NetR18_2: R18.2 U6.16 | length 397.2
  Top Layer w10: U6.16@5715.85,4371.4 U6.16
  Top Layer w15: R18.2@5570.26,4063.26 5642.51,4135.51 5642.51,4343.51 5670.4,4371.4 U6.16@5715.85,4371.4
NetR19_2: R19.2 U7.1 | length 77.5
  Top Layer w20: R19.2 U7.1
NetR22_1: R22.1 U5.8 | length 126.1
  Top Layer w10: U5.8@1833.26,922.04 U5.8 ; R22.1 R22.1@1836.26,798.74
  Top Layer w24: R22.1@1833.26,798 U5.8@1833.26,922.04
NetR_BIAS_L1_1: R_BIAS_L1.1 U5.1 | length 99.5
  Top Layer w10: U5.1 U5.1@1834,1169.12
  Top Layer w20: U5.1@1834,1169.12 1845.51,1180.64 R_BIAS_L1.1
NetU1_10: U1.10 U4.3 | length 980.7
  Top Layer w10: v1(5360,3620.39) 5360.1,3620.29 5466.9,3620.29 U4.3
  Bottom Layer w10: v1(5360,3620.39) 5360,3330 5730,2960 U1.10
NetU1_11: U1.11 U4.4 | length 954.4
  Top Layer w10: v1(5390,3595) 5466.59,3595 U4.4
  Bottom Layer w10: v1(5390,3595) 5390,3360 5820.61,2929.39 5820.61,2909.39 U1.11
NetU1_12: U1.12 U4.5 | length 928.7
  Top Layer w10: v1(5420,3570) 5420.5,3569.5 5466.5,3569.5 U4.5
  Bottom Layer w10: v1(5420,3570) 5420,3410 U1.12
NetU1_13: U1.13 U6.3 U6.4 U6.5 | length 1756.7
  Top Layer w10: v1(5400,4115) 5400,4245 5424.04,4269.04 5487.5,4269.04 U6.5 ; v1(5430,3925) v1(5600,3755)
  Top Layer w15: U6.5 U6.4 U6.3
  Bottom Layer w10: v1(5400,4115) 5400,3955 v1(5430,3925) ; v1(5600,3755) 5600,3330 U1.13
NetU1_22: U1.22 U4.2 | length 2434.1
  Top Layer w10: U1.22 3555.94,2875.94 3555.94,3030.94 v1(4170,3645) ; v1@5397.71,3650 v1(5401.93,3645.77) U4.2
  Bottom Layer w10: v1(4170,3645) 4170.77,3645.77 v1(5401.93,3645.77)
NetU1_23: U1.23 U4.7 | length 2637.6
  Top Layer w10: v1(5330,3535) 5371.58,3535 5388.76,3517.82 U4.7
  Bottom Layer w10: U1.23 3370.61,2809.39 3370.61,2829.39 3335,2865 3335,3050 3825,3540 5197.38,3540 5227.38,3570 5295,3570 v1(5330,3535)
NetU1_24: U1.24 U4.6 | length 2666.8
  Top Layer w10: v1(5280,3535) 5280.05,3535 5302.05,3557 5377.86,3557 5391.45,3543.41 U4.6
  Bottom Layer w10: U1.24 3470.86,2700 3430,2740.86 3430,3115 3830,3515 5212,3515 5232,3535 v1(5280,3535)
NetU1_26: U1.26 U6.2 | length 3208.8
  Top Layer w10: U1.26 3735.47,2855.47 3735.47,3146.83 4221.91,3633.27 4221.91,4113.09 v1(4215,4120) ; v1(5442.72,4347.28) U6.2
  Bottom Layer w10: v1(4215,4120) 4455,4360 5427.29,4360 5440.01,4347.28 v1(5442.72,4347.28)
NetU1_27: U1.27 U6.7 | length 3156.4
  Top Layer w10: U1.27 3435.47,2655.47 3498.44,2655.47 3705,2862.03 3705,3144.64 4196.91,3636.56 v1(4196.91,3996.91) ; v6(5440,4219.33) U6.7
  Bottom Layer w10: v1(4196.91,3996.91) 4419.33,4219.33 v6(5440,4219.33)
NetU1_28: U1.28 U6.6 | length 3404.5
  Top Layer w10: v6(5439.92,4244.92) U6.6
  Bottom Layer w10: U1.28 3435.47,2544.53 3355.47,2544.53 3315,2585 3315,3060 4145,3890 4145,4000 4390,4245 5439.84,4245 v6(5439.92,4244.92)
NetU1_30: U1.30 U7.7 | length 1880.2
  Top Layer w10: U7.7@3370,3998 3375,4003 3369,4009 U7.7
  Top Layer w20: v1(3370,3835) U7.7@3370,3998
  Bottom Layer w10: v1(3370,3835) 3370,3174.19 3275,3079.19 3275,2435 3360,2350 3430,2350 U1.30
NetU1_31: U1.31 U7.8 | length 2868.7
  Top Layer w10: U7.8@3470,4008 3471,4009 U7.8@3470,4010
  Top Layer w20: U7.8@2770,4510 2770,4095 2805,4060 3420,4060 U7.8@3470,4010 ; v1(3470,3835) U7.8@3470,4008
  Bottom Layer w10: U1.31 3295,2485 3295,3070.9 3470,3245.9 v1(3470,3835)
NetU1_49: U1.49 U5.3 | length 1959.7
  Top Layer w10: U5.3 U5.3@1734.5,1145.72 ; v1@1734.5,1204.5 v1(1735,1205)
  Top Layer w15: U5.3@1734.5,1145.72 v1@1734.5,1204.5
  Bottom Layer w15: v1(1735,1205) 1874.53,1344.53 3387.5,1344.53 3424.53,1381.56 3424.53,1418.44 3387.5,1455.47 3387.5,1492.5 U1.49
NetU1_51: U1.51 U5.4 | length 1836
  Top Layer w10: U5.4 U5.4@1684.5,1145.72 ; v1@1684.5,1204.5 v1(1685,1205)
  Top Layer w15: U5.4@1684.5,1145.72 v1@1684.5,1204.5
  Bottom Layer w15: v1(1685,1205) 1880,1400 U1.51
NetU1_52: U1.52 U5.5 | length 2080.9
  Top Layer w15: v1(1625,1000) 1684,941 U5.5
  Bottom Layer w15: v1(1625,1000) 3085,1000 3335,1250 3430,1250 U1.52
NetU7_5: U7.5 U7.6 | length 100
  Top Layer w20: U7.5 U7.6
pads on no net: P9.3 P10.3 P11.2 P12.2 P13.2 P14.2 P15.1 P16.2 P16.5 P16.7 POT1.CCW R11.CW R21.CW SW1.3 SW1.6 U1.25 U1.29 U1.32 U1.33 U1.34 U1.35 U1.36 U1.37 U1.38 U1.39 U1.40 U1.41 U1.42 U1.43 U1.44 U1.45 U1.46 U1.47 U1.48 U1.50 U1.53 U1.54 U1.77 U7.2 U7.3 U7.4
copper on no net: | length 9
  Top Layer w10: 5268.98,4160.51 5268.98,4169.53
  other v5: 3380,1000 6630,1000 3630,2900 6580,2900

## Polygon pours and split planes (outlines as drawn)
14V8_RAW on Top Layer "14V8_RAW_L01_P016" (solid, remove dead copper, pour order 16): 1721,3086 1760,3125 1761,3124 1884,3124 1884,3098 1896,3086 1896,2994 1895,2993 1888,3000 1624,3000 1425,3000 1425,3112 1598,3112 1624,3086 1624,3085 1625,3086
GND on Top Layer "GND_L01_P014" (solid, remove dead copper, pour order 14): 3097.5,2800 3125,2827.5 3125,3030 2950,3030 2950,2800
GND on Top Layer "Top Layer-GND" (solid, pour order 0): 2788,3595 2793,3590 3227,3590 3318,3647 3318,3945 2640,3945 2640,4580 2595,4625 2190,4625 2190,3465 2399,3256 2399,3036 2410,3025 2025,3025 2025,2904 1847,2904 1847,2893 1745,2893 1746,2892 1746,2309 1846,2209 1846,2212 2302,2212 2302,2650 2400,2650 2490,2740 2815,2740 2850,2775 2850,3100 2787.5,3162.5 2788,3163
NetC15_2 on Top Layer "NETC15_2_L01_P012" (solid, remove dead copper, pour order 12): 6064,4204 6124,4264 6493,4264 6493,4099 6124,4099 6064,4159
NetC15_2 on Top Layer "NETC15_2_L01_P010" (solid, remove dead copper, pour order 10): 5690,4250 5690,4187.5 5824,4187.5 5824,4254 5754,4254 5750,4250
NetC15_2 on Top Layer "NETC15_2_L01_P011" (solid, remove dead copper, pour order 11): 5742.86,4200.61 5785.48,4158 6096,4158 6096,4222.44 5823.98,4222.44
5V0_REG on Top Layer "5V0_REG_L01_P009" (solid, remove dead copper, pour order 9): 3520,2900 3530,2910 3530,3040 3995,3505 3995,4455 2913.75,4455 2895.18,4479.76 2845,4455 2845,4105 3450,4105 3450,4100 3550,4000 3550,3680 3415,3545 3415,3150 3160,2895 3160,2710 3350,2900
GND on Top Layer "GND_L01_P007" (solid, remove dead copper, pour order 7): 1319,2890 1318,2889 1318,2740 1745.4,2740 1767,2761.6 1767,2893
14V8_IN on Top Layer "14V8_IN_L01_P006" (solid, remove dead copper, pour order 6): 2125,3237 2230,3342 2361,3211 2361,3094 2125,3094
GND on Top Layer "Top Layer-GND 1" (solid, pour order 1): 1979,2709 2001,2709 2005,2705
GND on Bottom Layer "GND_L02_P015" (solid, remove dead copper, pour order 15): 2575,3030 2410,2865 2410,2740 2925,2740 2975,2740 3035,2800 3035,3030
14V8_IN on Bottom Layer "14V8_IN_L02_P002" (solid, remove dead copper, pour order 2): 2378,3090 2633,3345 2635,3350 2635,3555 2330,3555 2330,3446.79 2121,3231 2121,3090

## Other copper
Top Layer:
  region net GND: 42 vertices and 29 holes, not listed, extent 3502.62,3038 6700,4622

## Silkscreen, mask and mechanical layers (free items; w line width, h text height)
Top Overlay:
  text "-5" at 1636,3648 h30
  text "-5V /  /  5V" at 1969,3366 h25
  text "LED_EN" at 1471.34,3262 h40 r90
  text "14.8" at 1774,3157 h30
  text "5" at 1651,3153 h30
  text "G" at 1367,2720 h30
  text "5V Trim" at 2253,2227 h40 r90

## Text inside footprints (layer, text, board x,y; h text height)
P9: Top Overlay "MQ" at 6330,280 h60; Top Overlay "BLACK1" at 5770,280 h60; Top Overlay "G A D V" at 5925,140 h52.13
P10: Top Overlay "MQ" at 5480,280 h60; Top Overlay "BLACK" at 4920,280 h60; Top Overlay "G A D V" at 5075,140 h52.13
P11: Top Overlay "MQ" at 4630,280 h60; Top Overlay "BLUE?" at 4070,280 h60; Top Overlay "A D G V" at 4225,130 h52.13
P12: Top Overlay "MQ" at 3775,280 h60; Top Overlay "BLUE?" at 3230,280 h60; Top Overlay "A D G V" at 3375,130 h52.13
P13: Top Overlay "MQ" at 2925,280 h60; Top Overlay "BLUE?" at 2375,280 h60; Top Overlay "A D G V" at 2525,130 h52.13
P14: Top Overlay "A D G V" at 1675,130 h52.13; Top Overlay "BLUE?" at 1525,280 h60; Top Overlay "MQ" at 2075,280 h60
R11: Top Overlay "V10 POT" at 5103.98,3765.51 h30
R21: Top Overlay "V10 POT" at 5093.98,4345.51 h30